# Allegro board RK_NVR_DEMO1_RK3588_LP4XD200P232SD8_V21_20211228_final_lint.brd (continued)
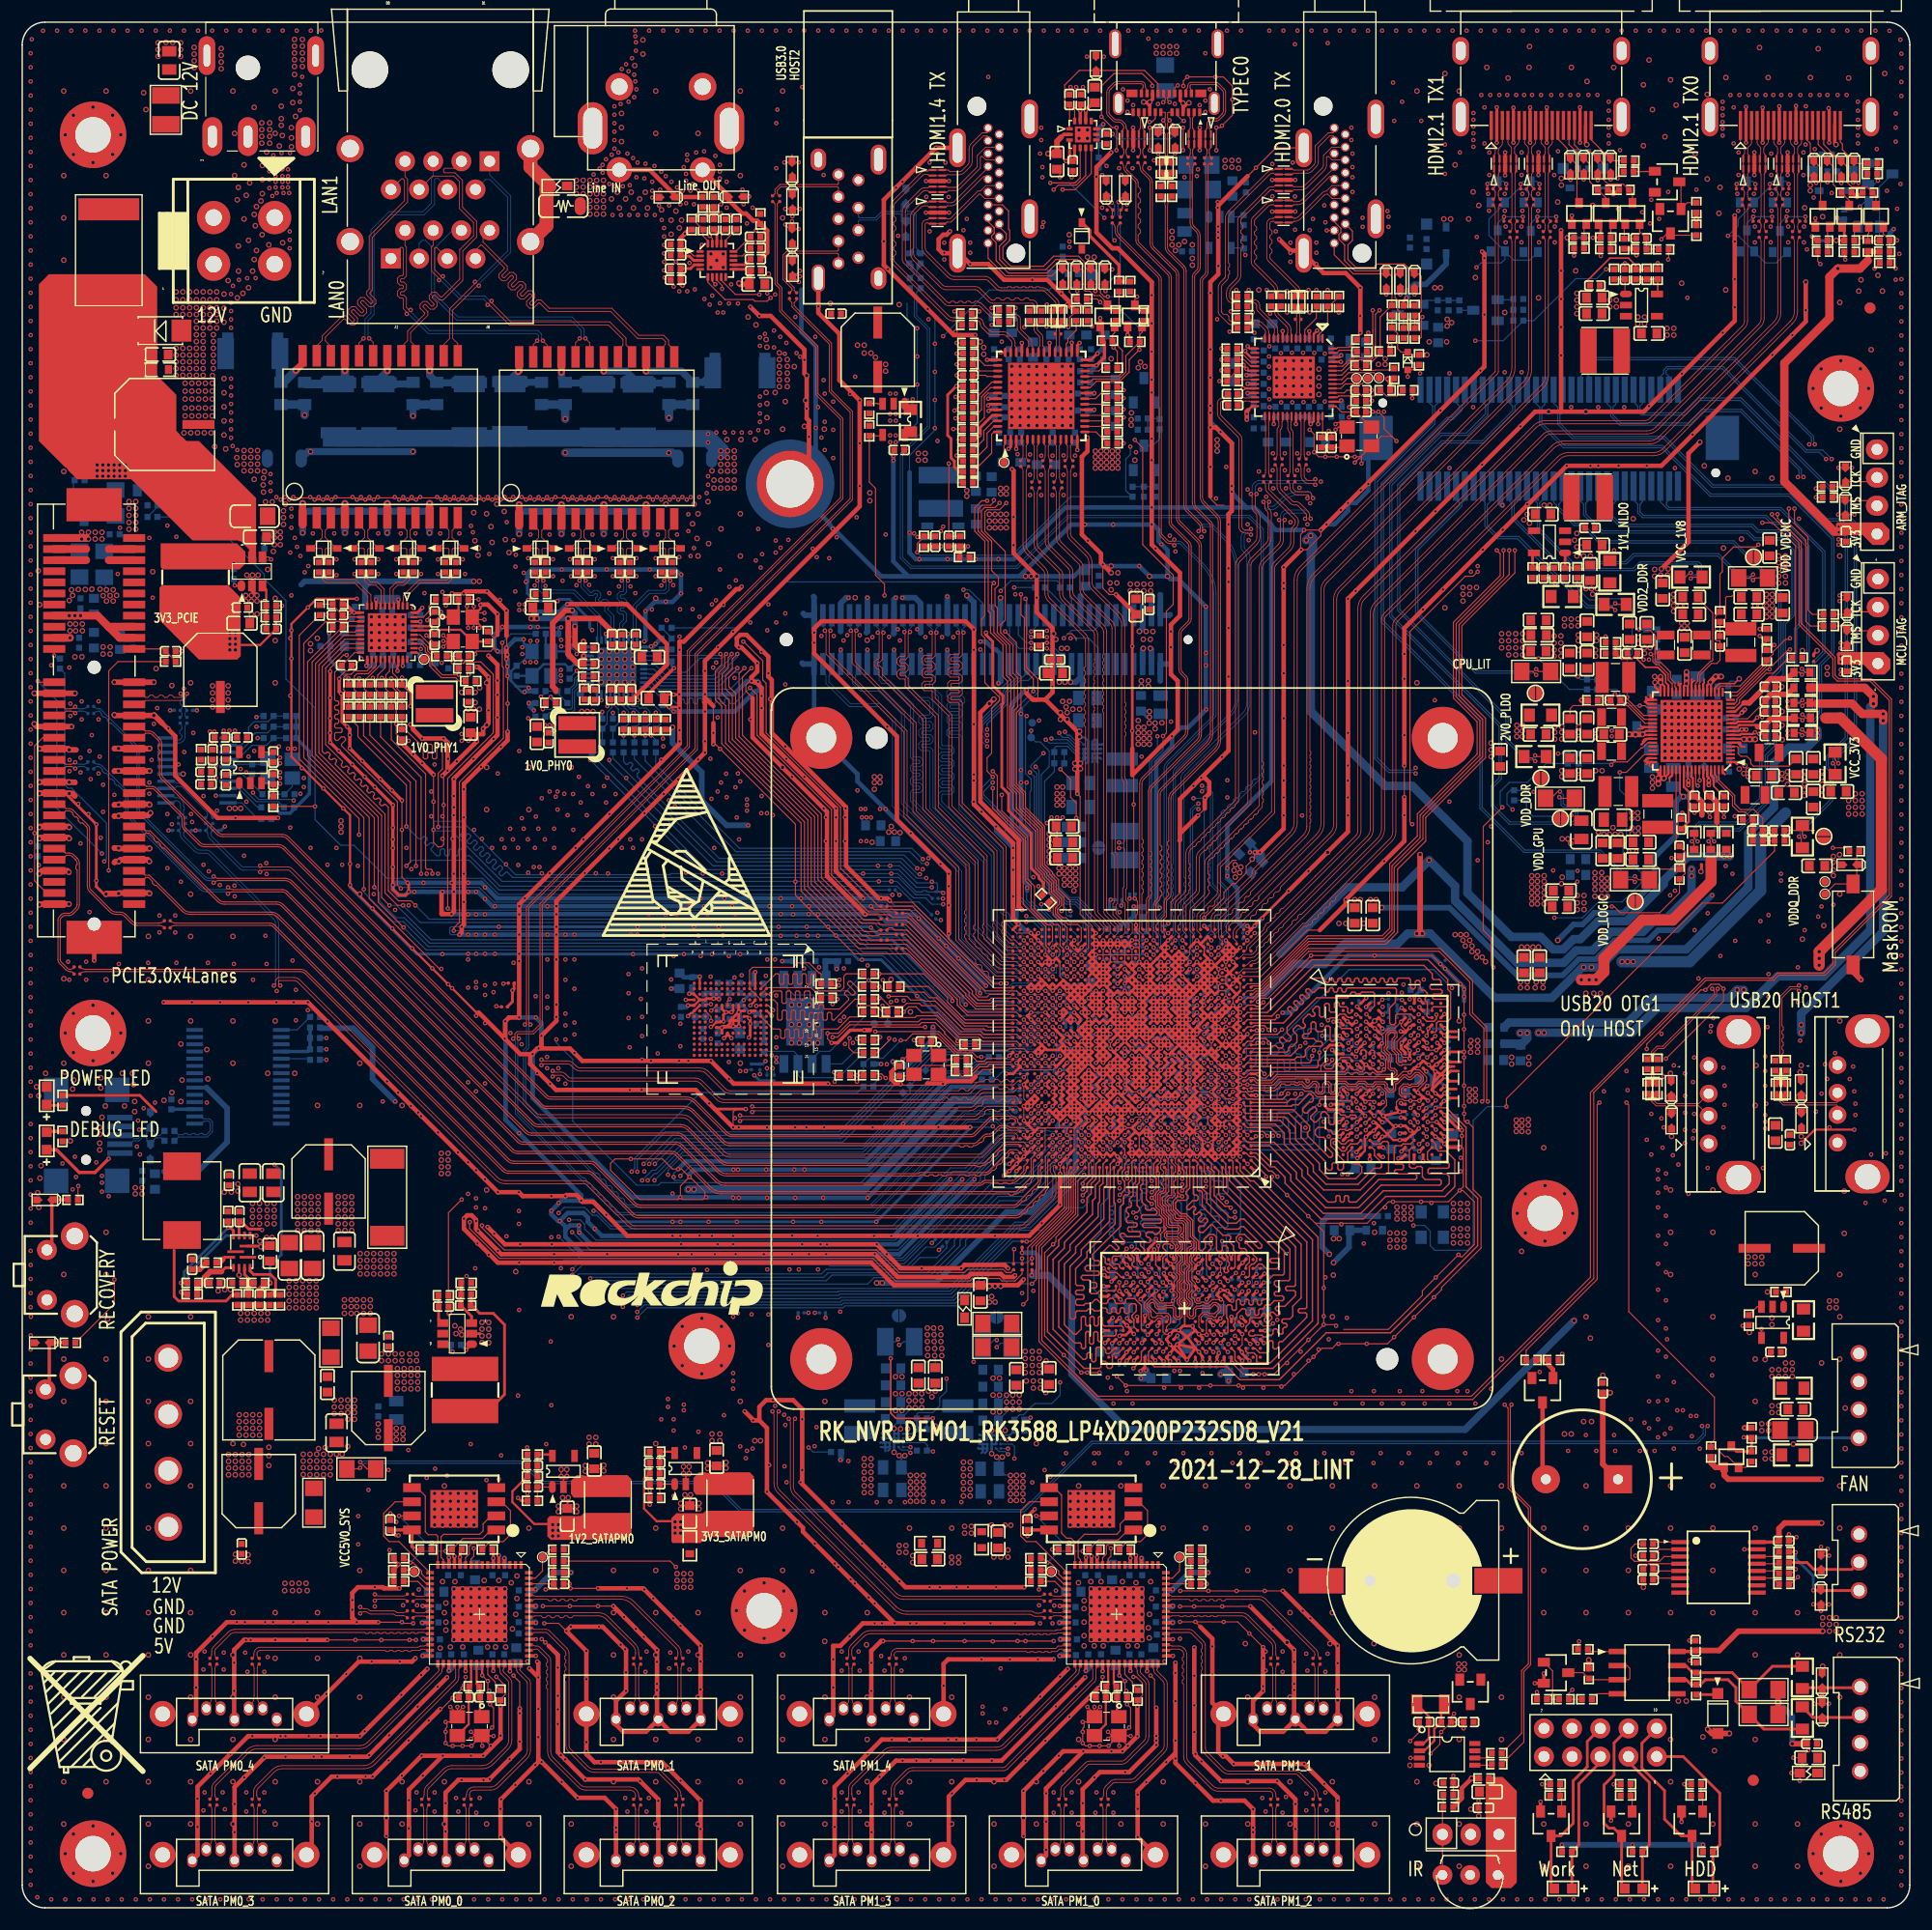
[diagram p0: board, top side]
## Routing (per net, layer and track width the routed paths; a pad name or vN(x,y) marks a point on that pad's centre or on a via; arc(x,y) is an arc through that point) (continued)
v1(117.32,153.46) v1(117.37,140.1) v1(117.37,135.78) v1(117.45,169.21) v1(117.42,151.94) v1(117.42,56.84) v1(117.42,21.28) v1(117.42,10.41) v1(117.52,8.78) v1(117.63,168.09) v1(117.63,145.84) v1(117.63,22.9) v1(117.73,51.25) v1(118.19,0.76) v1(118.34,45.46) v1(118.72,169.21) v1(119.35,53.18) v1(119.46,0.76) v1(119.56,134.36) v1(119.76,160.47) v1(119.76,159.35) v1(119.76,46.58) v1(119.86,158.13) v1(119.86,156.91) v1(119.86,156) v1(119.86,154.68) v1(119.99,169.21) v1(120.78,152.34) v1(120.77,151.53) v1(120.77,45.46) v1(120.73,0.76) v1(120.88,59.89) v1(121.26,169.21) v1(121.28,141.98) v1(121.79,61.71) v1(121.79,46.58) v1(122,0.76) v1(122.5,45.46) v1(122.53,169.21) v1(122.58,81.22) v1(123.01,152.95) v1(123.11,152.44) v1(123.11,151.53) v1(123.11,82.44) v1(123.27,0.76) v1(123.52,164.53) v1(123.62,161.08) v1(123.8,169.21) v1(124.13,46.58) v1(124.31,82.49) v1(124.33,162.81) v1(124.43,45.46) v1(124.54,0.76) v1(125.02,81.91) v1(125.07,169.21) v1(125.81,0.76) v1(125.96,138.32) v1(126.06,161.08) v1(126.16,46.58) v1(126.34,169.21) v1(126.36,45.46) v1(126.97,63.54) v1(127.08,0.76) v1(127.61,169.21) v1(128.19,158.95) v1(128.19,156.3) v1(128.35,0.76) v1(128.6,138.32) v1(128.6,129.79) v1(128.6,45.46) v1(128.88,169.21) v1(129.31,46.58) v1(129.54,158.23) v1(129.61,67.61) v1(129.61,66.39) v1(129.62,0.76) v1(130.15,169.21) v1(130.22,46.58) v1(130.76,161.79) v1(130.76,161.18) v1(130.76,160.57) v1(130.76,159.96) v1(130.76,159.35) v1(130.76,158.74) v1(130.73,135.27) v1(130.89,0.76) v1(130.93,45.46) v1(131.06,150.61) v1(131.42,169.21) v1(131.47,163.42) v1(131.76,162.3) v1(131.76,159.05) v1(132.09,154.5) v1(132.19,158.23) v1(132.19,156.2) v1(132.16,152.98) v1(132.16,0.76) v1(132.28,163.42) v1(132.36,46.78) v1(132.69,169.21) v1(133.09,163.42) v1(133.43,0.76) v1(133.59,154.5) v1(133.59,152.98) v1(133.58,138.42) v1(133.66,151.55) v1(133.66,150.13) v1(133.81,163.42) v1(133.96,169.21) v1(134.62,163.42) v1(134.7,0.76) v1(135.1,158.23) v1(135.1,156.2) v1(135.09,151.55) v1(135.09,150.13) v1(135.1,138.42) v1(135.17,154.5) v1(135.17,152.98) v1(135.23,169.21) v1(135.33,163.42) v1(135.61,126.53) v1(135.97,0.76) v1(136.04,163.42) v1(136.5,169.21) v1(136.59,154.5) v1(136.59,152.98) v1(136.67,151.55) v1(136.67,150.13) v1(136.73,48.3) v1(136.85,163.42) v1(137.24,0.76) v1(137.77,169.21) v1(137.77,163.42) v1(138.04,156.2) v1(138.09,151.55) v1(138.09,150.13) v1(138.38,158.34) v1(138.51,0.76) v1(138.68,163.42) v1(138.76,49.93) v1(139.04,169.21) v1(139.49,163.42) v1(139.57,135.27) v1(139.78,0.76) v1(140.21,163.42) v1(140.31,169.21) v1(140.89,42.61) v1(141.05,0.76) v1(141.12,163.42) v1(141.58,169.21) v1(141.93,163.42) v1(142.01,135.27) v1(142.32,0.76) v1(142.52,73.6) v1(142.85,169.21) v1(142.95,162.81) v1(142.95,161.99) v1(142.95,161.18) v1(142.95,160.47) v1(142.95,159.76) v1(142.95,159.05) v1(143.43,42.61) v1(143.59,0.76) v1(143.74,155.9) v1(143.97,158.44) v1(144.12,169.21) v1(144.35,135.27) v1(144.55,75.43) v1(144.65,73.7) v1(144.78,95.26) v1(144.86,0.76) v1(145.39,169.21) v1(145.36,31.74) v1(145.44,95.26) v1(145.97,152.85) v1(146.1,112.51) v1(146.13,0.76) v1(146.38,69.23) v1(146.58,135.37) v1(146.57,112.51) v1(146.66,169.21) v1(146.68,151.83) v1(146.78,153.97) v1(146.78,71.57) v1(146.78,67.91) v1(147.39,64.46) v1(147.39,55.72) v1(147.39,50.23) v1(147.39,44.04) v1(147.4,0.76) v1(147.5,152.24) v1(147.7,78.78) v1(147.7,71.16) v1(147.8,68.52) v1(147.9,74.92) v1(147.9,70.35) v1(147.93,169.21) v1(148.21,51.25) v1(148.21,45.76) v1(148.31,154.68) v1(148.67,0.76) v1(148.82,75.94) v1(148.82,41.39) v1(148.92,129.79) v1(149.2,169.21) v1(149.22,67) v1(149.58,98.7) v1(149.83,73.19) v1(149.83,71.67) v1(149.94,0.76) v1(150.04,145.13) v1(150.14,64.36) v1(150.47,169.21) v1(150.44,42.51) v1(150.65,76.65) v1(150.65,71.57) v1(150.65,70.05) v1(150.85,154.88) v1(151.15,41.39) v1(151.21,0.76) v1(151.74,169.21) v1(151.86,66.69) v1(152.06,98.32) v1(152.17,79.49) v1(152.27,48) v1(152.37,80.21) v1(152.48,0.76) v1(153.01,169.21) v1(153.21,162.81) v1(153.21,162.2) v1(153.21,161.59) v1(153.21,160.98) v1(153.21,160.37) v1(153.21,159.76) v1(153.29,75.73) v1(153.29,70.35) v1(153.34,98.32) v1(153.39,74.11) v1(153.39,72.38) v1(153.49,93.92) v1(153.75,0.76) v1(153.92,163.42) v1(154.1,93.21) v1(154.21,162.3) v1(154.21,159.05) v1(154.28,169.21) v1(154.3,98.39) v1(154.54,154.5) v1(154.65,158.23) v1(154.65,156.2) v1(154.62,152.98) v1(154.73,163.42) v1(155.01,52.47) v1(155.02,0.76) v1(155.55,169.21) v1(155.55,163.42) v1(156.04,154.5) v1(156.04,152.98) v1(156.12,151.55) v1(156.12,150.13) v1(156.26,163.42) v1(156.29,0.76) v1(156.82,169.21) v1(156.84,66.69) v1(157.07,163.42) v1(157.05,76.75) v1(157.05,75.43) v1(157.05,74.11) v1(157.05,71.47) v1(157.05,70.86) v1(157.05,70.25) v1(157.15,72.48) v1(157.25,79.39) v1(157.35,82.14) v1(157.59,158.13) v1(157.59,156.2) v1(157.54,151.55) v1(157.54,150.13) v1(157.56,0.76) v1(157.62,154.5) v1(157.62,152.98) v1(157.78,163.42) v1(158.09,169.21) v1(158.49,163.42) v1(158.83,0.76) v1(159.04,154.5) v1(159.04,152.98) v1(159.12,151.55) v1(159.12,150.13) v1(159.31,163.42) v1(159.36,169.21) v1(159.99,84.78) v1(160.1,0.76) v1(160.2,78.17) v1(160.22,163.42) v1(160.49,158.23) v1(160.49,156.2) v1(160.54,151.55) v1(160.54,150.13) v1(160.63,169.21) v1(160.71,162.4) v1(160.69,158.95) v1(160.81,149.5) v1(161.14,163.42) v1(161.41,154.17) v1(161.37,0.76) v1(161.52,158.54) v1(161.52,158.03) v1(161.62,71.77) v1(161.9,169.21) v1(161.95,163.42) v1(162.13,90.26) v1(162.13,73.4) v1(162.43,76.04) v1(162.66,163.42) v1(162.63,74.72) v1(162.64,0.76) v1(162.84,70.35) v1(163.04,154.58) v1(163.17,169.21) v1(163.35,77.06) v1(163.57,163.42) v1(163.91,0.76) v1(164.39,163.42) v1(164.44,169.21) v1(164.67,74.72) v1(164.97,75.84) v1(165.07,73.6) v1(165.17,72.48) v1(165.17,71.47) v1(165.18,0.76) v1(165.4,162.81) v1(165.4,161.99) v1(165.4,161.18) v1(165.4,160.47) v1(165.4,159.76) v1(165.4,159.05) v1(165.45,155.49) v1(165.71,169.21) v1(165.68,150.61) v1(166.09,63.54) v1(166.45,0.76) v1(166.6,67.91) v1(166.98,169.21) v1(167.1,158.54) v1(167.72,0.76) v1(167.82,63.75) v1(167.92,68.01) v1(168.02,154.78) v1(168.25,169.2) v1(168.81,161.75) v1(168.81,160.48) v1(168.81,159.21) v1(168.81,147.78) v1(168.81,146.76) v1(168.93,153.15) v1(168.93,150.31) v1(169.14,149.09) v1(169.23,168.4) v1(169.32,167.13) v1(169.32,165.86) v1(169.32,164.59) v1(169.32,163.32) v1(169.24,155.39) v1(169.32,146.81) v1(169.32,145.54) v1(169.32,144.27) v1(169.32,143) v1(169.32,141.73) v1(169.32,140.46) v1(169.32,139.19) v1(169.32,137.92) v1(169.32,136.65) v1(169.32,135.38) v1(169.32,134.11) v1(169.32,132.84) v1(169.32,131.57) v1(169.32,130.3) v1(169.32,129.03) v1(169.32,127.76) v1(169.32,126.49) v1(169.32,125.22) v1(169.32,123.95) v1(169.32,122.68) v1(169.32,121.41) v1(169.32,120.14) v1(169.32,118.87) v1(169.32,117.6) v1(169.32,116.33) v1(169.32,115.06) v1(169.32,113.79) v1(169.32,112.52) v1(169.32,111.25) v1(169.32,109.98) v1(169.32,108.71) v1(169.32,107.44) v1(169.32,106.17) v1(169.32,104.9) v1(169.32,103.63) v1(169.32,102.36) v1(169.32,101.09) v1(169.32,99.82) v1(169.32,98.55) v1(169.32,97.28) v1(169.32,96.01) v1(169.32,94.74) v1(169.32,93.47) v1(169.32,92.2) v1(169.32,90.93) v1(169.32,89.66) v1(169.32,88.39) v1(169.32,87.12) v1(169.32,85.85) v1(169.32,84.58) v1(169.32,83.31) v1(169.32,82.04) v1(169.32,80.77) v1(169.32,79.5) v1(169.32,78.23) v1(169.32,76.96) v1(169.32,75.69) v1(169.32,74.42) v1(169.32,73.15) v1(169.32,71.88) v1(169.32,70.61) v1(169.32,69.34) v1(169.32,68.07) v1(169.32,66.8) v1(169.32,65.53) v1(169.32,64.26) v1(169.32,62.99) v1(169.32,61.72) v1(169.32,60.45) v1(169.32,59.18) v1(169.32,57.91) v1(169.32,56.64) v1(169.32,55.37) v1(169.32,54.1) v1(169.32,52.83) v1(169.32,51.56) v1(169.32,50.29) v1(169.32,49.02) v1(169.32,47.75) v1(169.32,46.48) v1(169.32,45.21) v1(169.32,43.94) v1(169.32,42.67) v1(169.32,41.4) v1(169.32,40.13) v1(169.32,38.86) v1(169.32,37.59) v1(169.32,36.32) v1(169.32,35.05) v1(169.32,33.78) v1(169.32,32.51) v1(169.32,31.24) v1(169.32,29.97) v1(169.32,28.7) v1(169.32,27.43) v1(169.32,26.16) v1(169.32,24.89) v1(169.32,23.62) v1(169.32,22.35) v1(169.32,21.08) v1(169.32,19.81) v1(169.32,18.54) v1(169.32,17.27) v1(169.32,16) v1(169.32,14.73) v1(169.32,13.46) v1(169.32,12.19) v1(169.32,10.92) v1(169.32,9.65) v1(169.32,8.38) v1(169.32,7.11) v1(169.32,5.84) v1(169.32,4.57) v1(169.32,3.3) v1(169.32,2.03) v2(1.29,74.01) v2(1.39,64.46) v2(1.45,120.52) v2(1.5,73.19) v2(1.5,63.14) v2(1.57,117.47) v2(1.6,65.78) v2(1.7,66.9) v2(2.11,75.23) v2(3.75,163.77) v2(3.75,156.15) v2(3.75,152.34) v2(3.75,148.53) v2(3.75,129.48) v2(3.75,83.76) v2(3.75,76.14) v2(3.75,57.09) v2(3.75,49.47) v2(3.75,45.66) v2(3.75,38.04) v2(3.75,34.23) v2(3.75,30.42) v2(3.75,26.61) v2(3.75,22.8) v2(3.75,18.99) v2(3.75,15.18) v2(3.75,11.37) v2(3.75,7.56) v2(3.88,159.82) v2(3.88,78.86) v2(3.83,75.33) v2(3.88,4.88) v2(4.24,117.85) v2(4.34,69.13) v2(4.44,118.81) v2(4.61,161.59) v2(4.61,158.05) v2(4.54,118.31) v2(4.61,80.63) v2(4.61,77.09) v2(4.54,73.8) v2(4.61,6.65) v2(4.61,3.11) v2(4.65,74.62) v2(4.75,112.77) v2(5.05,118.84) v2(5.38,112.77) v2(5.69,118.84) v2(6.27,118.86) v2(6.38,162.32) v2(6.38,157.32) v2(6.38,81.36) v2(6.38,76.36) v2(6.38,7.38) v2(6.38,2.38) v2(7.01,118.86) v2(6.98,70.35) v2(6.98,69.74) v2(6.98,68.93) v2(6.98,68.32) v2(7.08,74.82) v2(7.08,73.91) v2(7.19,71.26) v2(7.29,118.28) v2(7.29,113.66) v2(7.29,113.02) v2(7.49,72.28) v2(7.56,163.77) v2(7.56,156.15) v2(7.59,118.81) v2(7.59,117.8) v2(7.56,83.65) v2(7.56,60.9) v2(7.56,57.09) v2(7.56,49.47) v2(7.56,45.66) v2(7.56,41.85) v2(7.56,38.04) v2(7.56,34.23) v2(7.56,30.42) v2(7.56,26.61) v2(7.56,22.8) v2(7.56,18.99) v2(7.56,15.18) v2(7.56,11.37) v2(7.69,53.08) v2(7.92,113.66) v2(7.92,113.02) v2(8.15,161.59) v2(8.15,158.05) v2(8.2,118.81) v2(8.2,117.8) v2(8.15,80.63) v2(8.15,77.09) v2(8.15,6.65) v2(8.15,3.11) v2(8.51,118.31) v2(8.88,159.82) v2(8.88,78.86) v2(8.88,4.88) v2(9.01,75.23) v2(9.22,72.28) v2(9.62,126.76) v2(9.62,126.15) v2(9.62,125.52) v2(9.62,124.88) v2(9.62,124.27) v2(9.93,75.23) v2(10.03,74.21) v2(10.13,72.69) v2(10.13,71.77) v2(10.19,64.91) v2(10.19,64.36) v2(10.23,126.76) v2(10.23,126.15) v2(10.23,125.52) v2(10.23,124.88) v2(10.23,124.27) v2(10.8,64.91) v2(10.8,64.36) v2(10.95,163.62) v2(11.15,162.1) v2(11.37,87.57) v2(11.37,83.65) v2(11.37,79.95) v2(11.37,76.14) v2(11.37,53.28) v2(11.37,49.47) v2(11.37,45.66) v2(11.37,41.85) v2(11.37,38.04) v2(11.37,34.23) v2(11.37,30.42) v2(11.37,26.61) v2(11.37,22.8) v2(11.37,18.99) v2(11.37,15.18) v2(11.37,11.37) v2(11.37,7.56) v2(11.37,3.75) v2(11.76,120.44) v2(12.06,111.7) v2(12.24,168.11) v2(12.24,167.51) v2(12.24,166.9) v2(12.77,72.79) v2(12.95,168.17) v2(13.49,110.18) v2(13.49,73.5) v2(13.56,168.17) v2(13.87,145.66) v2(13.87,144.95) v2(13.87,144.24) v2(13.87,143.63) v2(13.87,140.58) v2(13.87,139.97) v2(13.87,139.36) v2(13.87,138.75) v2(13.87,138.14) v2(14.27,168.11) v2(14.27,167.51) v2(14.27,166.9) v2(14.3,77.87) v2(14.3,72.69) v2(14.4,74.62) v2(14.48,145.66) v2(14.48,144.95) v2(14.48,144.24) v2(14.48,143.63) v2(14.48,140.58) v2(14.48,139.97) v2(14.48,139.36) v2(14.48,138.75) v2(14.48,138.14) v2(14.58,132.96) v2(14.68,137.43) v2(14.68,136.72) v2(14.68,136.01) v2(14.68,135.2) v2(14.68,134.49) v2(15.09,145.66) v2(15.09,144.95) v2(15.09,144.24) v2(15.09,143.63) v2(15.09,140.58) v2(15.09,139.97) v2(15.09,139.36) v2(15.09,138.75) v2(15.09,138.14) v2(15.18,163.77) v2(15.19,132.96) v2(15.18,110.43) v2(15.18,91.38) v2(15.18,87.57) v2(15.18,83.65) v2(15.18,79.95) v2(15.18,53.28) v2(15.18,45.66) v2(15.18,41.85) v2(15.18,38.04) v2(15.18,30.42) v2(15.18,26.61) v2(15.18,22.8) v2(15.18,18.99) v2(15.18,15.18) v2(15.18,11.37) v2(15.18,7.56) v2(15.29,137.43) v2(15.29,136.72) v2(15.29,136.01) v2(15.29,135.2) v2(15.29,134.49) v2(15.49,167.71) v2(15.49,167.1) v2(15.49,166.49) v2(15.49,165.88) v2(15.7,145.66) v2(15.7,144.95) v2(15.7,144.24) v2(15.7,143.63) v2(15.7,143.02) v2(15.7,142.41) v2(15.7,141.8) v2(15.7,141.19) v2(15.7,140.58) v2(15.7,139.97) v2(15.7,139.36) v2(15.7,138.75) v2(15.7,138.14) v2(15.8,132.96) v2(15.9,137.43) v2(15.9,136.72) v2(15.9,136.01) v2(15.9,135.2) v2(15.9,134.49) v2(16.3,145.66) v2(16.3,144.95) v2(16.3,144.24) v2(16.3,143.63) v2(16.3,143.02) v2(16.3,142.41) v2(16.3,141.8) v2(16.3,141.19) v2(16.3,140.58) v2(16.3,139.97) v2(16.3,139.36) v2(16.3,138.75) v2(16.3,138.14) v2(16.41,132.96) v2(16.51,137.43) v2(16.51,136.72) v2(16.51,136.01) v2(16.51,135.2) v2(16.51,134.49) v2(16.63,77.36) v2(16.74,74.72) v2(16.91,145.66) v2(16.91,144.95) v2(16.91,144.24) v2(16.91,143.63) v2(16.91,143.02) v2(16.91,142.41) v2(17.02,132.96) v2(17.12,137.43) v2(17.12,136.72) v2(17.12,136.01) v2(17.12,135.2) v2(17.12,134.49) v2(17.14,138.12) v2(17.15,110.15) v2(17.15,109.52) v2(17.15,108.88) v2(17.15,108.25) v2(17.22,141.8) v2(17.22,141.19) v2(17.22,140.58) v2(17.22,139.97) v2(17.22,139.36) v2(17.22,138.75) v2(17.35,131.72) v2(17.52,145.66) v2(17.52,144.95) v2(17.52,144.24) v2(17.52,143.63) v2(17.52,143.02) v2(17.52,142.41) v2(17.65,55.62) v2(17.93,167.61) v2(17.93,167) v2(17.93,166.39) v2(17.93,165.78) v2(18.18,145.47) v2(18.18,144.2) v2(18.18,142.93) v2(18.18,137.85) v2(18.18,136.58) v2(18.18,135.31) v2(18.18,134.04) v2(18.18,132.77) v2(18.21,64.51) v2(18.26,55.72) v2(18.33,131.5) v2(18.56,146.68) v2(18.56,110.15) v2(18.56,109.52) v2(18.56,108.88) v2(18.56,108.25) v2(18.59,40.86) v2(18.59,40.25) v2(18.59,39.64) v2(18.59,39.03) v2(18.77,55.72) v2(18.84,64.51) v2(18.99,163.77) v2(18.99,87.57) v2(18.99,83.65) v2(18.99,79.95) v2(18.99,76.14) v2(18.99,41.85) v2(18.99,26.61) v2(18.99,22.8) v2(18.99,18.99) v2(18.99,15.18) v2(18.99,11.37) v2(18.99,7.56) v2(19.14,159.96) v2(19.14,156.15) v2(19.2,40.86) v2(19.2,40.25) v2(19.2,39.64) v2(19.2,39.03) v2(19.21,31.86) v2(19.21,31.26) v2(19.38,153.97) v2(19.38,145.13) v2(19.34,130.73) v2(19.38,130.09) v2(19.48,155.08) v2(19.48,149.8) v2(19.49,147.54) v2(19.43,65.24) v2(19.43,64.61) v2(19.56,44.44) v2(19.56,43.83) v2(19.56,43.22) v2(19.56,42.61) v2(19.68,53.59) v2(19.68,52.98) v2(19.81,40.86) v2(19.81,40.25) v2(19.81,39.64) v2(19.81,39.03) v2(19.78,31.23) v2(19.89,145.53) v2(19.99,157.12) v2(19.99,152.24) v2(19.99,131.36) v2(19.99,130.75) v2(19.99,130.14) v2(19.99,129.53) v2(19.94,41.78) v2(20.19,154.37) v2(20.17,44.44) v2(20.17,43.83) v2(20.17,43.22) v2(20.17,42.61) v2(20.29,53.59) v2(20.29,52.98) v2(20.39,150.31) v2(20.39,146.04) v2(20.36,31.82) v2(20.36,31.21) v2(20.5,155.49) v2(20.42,40.86) v2(20.42,40.25) v2(20.42,39.64) v2(20.42,39.03) v2(20.6,131.36) v2(20.6,130.75) v2(20.6,130.14) v2(20.6,129.53) v2(20.76,147.54) v2(20.75,63.49) v2(20.75,62.88) v2(20.75,62.27) v2(20.75,61.66) v2(20.78,44.44) v2(20.78,43.83) v2(20.78,43.22) v2(20.78,42.61) v2(20.9,162.3) v2(20.9,152.65) v2(20.9,148.58) v2(20.9,128.77) v2(20.9,53.59) v2(20.9,52.98) v2(21,151.63) v2(21.11,153.36) v2(21.11,149.39) v2(21.21,131.36) v2(21.21,130.75) v2(21.21,130.14) v2(21.21,129.53) v2(21.38,63.49) v2(21.38,62.88) v2(21.38,62.27) v2(21.38,61.66) v2(21.41,60.09) v2(21.38,44.44) v2(21.38,43.83) v2(21.38,43.22) v2(21.38,42.61) v2(21.51,153.87) v2(21.51,53.59) v2(21.51,52.98) v2(21.59,160.9) v2(21.59,160.29) v2(21.59,159.68) v2(21.59,159.07) v2(21.61,150.82) v2(21.64,157.06) v2(21.64,155.79) v2(21.64,154.52) v2(21.71,128.26) v2(21.82,129.48) v2(21.74,128.89) v2(21.74,127.62) v2(21.92,126.74) v2(22.02,158.27) v2(22.07,63.49) v2(22.07,62.88) v2(22.07,62.27) v2(22.07,61.66) v2(22.02,60.42) v2(22.12,120.64) v2(22.12,75.23) v2(22.12,53.59) v2(22.12,52.98) v2(22.3,160.9) v2(22.3,160.29) v2(22.3,159.68) v2(22.3,159.07) v2(22.22,149.9) v2(22.22,41.52) v2(22.22,40.76) v2(22.22,39.87) v2(22.53,126.74) v2(22.53,60.42) v2(22.63,122.27) v2(22.71,63.49) v2(22.71,62.88) v2(22.71,62.27) v2(22.71,61.66) v2(22.8,163.77) v2(22.8,159.96) v2(22.8,118.05) v2(22.8,114.24) v2(22.8,110.43) v2(22.8,79.95) v2(22.8,26.61) v2(22.8,22.49) v2(22.8,18.99) v2(22.8,15.18) v2(22.8,11.37) v2(22.8,7.56) v2(23.16,158.82) v2(23.34,162.4) v2(23.34,161.28) v2(23.34,160.67) v2(23.44,159.76) v2(23.47,150.09) v2(23.54,125.93) v2(23.54,125.32) v2(23.54,124.71) v2(23.71,126.53) v2(24.25,160.47) v2(24.25,159.55) v2(24.25,158.74) v2(24.38,164) v2(24.38,162.73) v2(24.53,168.42) v2(24.53,167.81) v2(24.53,167.2) v2(24.53,166.59) v2(24.53,165.98) v2(24.54,165.26) v2(24.56,75.23) v2(24.62,161.49) v2(24.81,64.1) v2(24.81,63.49) v2(24.81,62.88) v2(24.81,62.27) v2(24.81,61.66) v2(24.81,61.05) v2(25.25,168.42) v2(25.25,167.81) v2(25.25,167.2) v2(25.25,166.59) v2(25.25,165.98) v2(25.42,64.1) v2(25.42,63.49) v2(25.42,62.88) v2(25.42,62.27) v2(25.42,61.66) v2(25.42,61.05) v2(26.03,64.1) v2(26.03,63.49) v2(26.03,62.88) v2(26.03,62.27) v2(26.03,61.66) v2(26.03,61.05) v2(26.61,72.33) v2(26.61,26.61) v2(26.61,22.49) v2(26.61,18.99) v2(26.61,11.37) v2(26.61,7.56) v2(26.67,64.1) v2(26.67,63.49) v2(26.67,62.88) v2(26.67,62.27) v2(26.67,61.66) v2(26.67,61.05) v2(28.12,45.76) v2(28.12,45.15) v2(28.12,44.54) v2(28.47,64.1) v2(28.47,63.49) v2(28.47,62.88) v2(28.47,62.27) v2(28.47,61.66) v2(28.47,61.05) v2(28.73,45.76) v2(28.73,45.15) v2(28.73,44.54) v2(29.08,64.1) v2(29.08,63.49) v2(29.08,62.88) v2(29.08,62.27) v2(29.08,61.66) v2(29.08,61.05) v2(29.33,45.76) v2(29.33,45.15) v2(29.33,44.65) v2(29.33,44.04) v2(29.69,64.1) v2(29.69,63.49) v2(29.69,62.88) v2(29.69,62.27) v2(29.69,61.66) v2(29.69,61.05) v2(29.94,45.76) v2(29.94,45.15) v2(29.94,44.65) v2(29.94,44.04) v2(30.42,91.38) v2(30.42,76.14) v2(30.42,72.33) v2(30.42,30.42) v2(30.42,22.49) v2(30.42,18.99) v2(30.42,11.37) v2(30.42,7.56) v2(30.42,3.75) v2(31.47,116.37) v2(31.47,115.66) v2(31.47,114.95) v2(31.47,114.24) v2(31.47,113.58) v2(32.18,116.37) v2(32.18,115.66) v2(32.18,114.95) v2(32.18,114.24) v2(32.18,113.58) v2(32.38,49.93) v2(32.38,49.32) v2(32.89,116.37) v2(32.89,115.66) v2(32.89,114.95) v2(32.89,114.24) v2(32.89,113.58) v2(32.99,49.93) v2(32.99,49.32) v2(33.6,116.37) v2(33.6,115.66) v2(33.6,114.95) v2(33.6,114.24) v2(33.6,113.58) v2(33.6,49.93) v2(33.6,49.32) v2(33.81,48.61) v2(33.81,48) v2(33.81,47.39) v2(33.81,46.78) v2(34.21,49.93) v2(34.21,49.32) v2(34.31,116.37) v2(34.31,115.66) v2(34.31,114.95) v2(34.31,114.24) v2(34.31,113.58) v2(34.23,72.33) v2(34.23,11.37) v2(34.23,7.56) v2(34.41,48.61) v2(34.41,48) v2(34.41,47.39) v2(34.41,46.78) v2(34.92,49.93) v2(34.92,49.32) v2(35.02,48.61) v2(35.02,48) v2(35.02,47.39) v2(35.02,46.78) v2(35.53,49.93) v2(35.53,49.32) v2(35.63,48.61) v2(35.63,48) v2(35.63,47.39) v2(35.63,46.78) v2(37.16,37.36) v2(37.16,36.64) v2(37.16,35.93) v2(37.16,35.22) v2(37.16,34.51) v2(37.67,23.41) v2(37.87,37.36) v2(37.87,36.64) v2(37.87,35.93) v2(37.87,35.22) v2(37.87,34.51) v2(37.87,29.41) v2(38.04,38.04) v2(38.04,26.61) v2(38.04,11.37) v2(38.04,7.56) v2(38.17,27.47) v2(38.17,25.75) v2(38.17,25.04) v2(38.48,53.59) v2(38.58,37.36) v2(38.58,36.64) v2(38.58,35.93) v2(38.58,35.22) v2(38.58,34.51) v2(38.58,23.51) v2(38.91,28.74) v2(38.91,27.98) v2(38.91,27.22) v2(38.91,26.46) v2(38.91,25.7) v2(38.91,24.93) v2(38.91,24.17) v2(38.99,52.47) v2(38.99,29.41) v2(39.09,51.76) v2(39.29,37.36) v2(39.29,36.64) v2(39.29,35.93) v2(39.29,35.22) v2(39.29,34.51) v2(39.49,52.16) v2(39.6,109.57) v2(39.6,51.66) v2(39.67,28.74) v2(39.67,27.98) v2(39.67,27.22) v2(39.67,26.46) v2(39.67,25.7) v2(39.67,24.93) v2(39.67,24.17) v2(39.7,23.51) v2(40,37.36) v2(40,36.64) v2(40,35.93) v2(40,35.22) v2(40,34.51) v2(40.43,28.74) v2(40.43,27.98) v2(40.43,27.22) v2(40.43,26.46) v2(40.43,25.7) v2(40.43,24.93) v2(40.43,24.17) v2(40.69,125.77) v2(40.71,37.36) v2(40.71,36.64) v2(40.71,35.93) v2(40.71,35.22) v2(40.71,34.51) v2(40.79,123.23) v2(40.82,109.57) v2(41.07,121.91) v2(41.12,122.57) v2(41.2,28.74) v2(41.2,27.98) v2(41.2,27.22) v2(41.2,26.46) v2(41.2,25.7) v2(41.2,24.93) v2(41.2,24.17) v2(41.22,109.97) v2(41.43,52.77) v2(41.43,52.16) v2(41.43,50.94) v2(41.63,29.51) v2(41.85,125.67) v2(41.85,110.43) v2(41.85,106.62) v2(41.85,102.81) v2(41.85,99) v2(41.85,64.71) v2(41.85,7.56) v2(41.96,28.74) v2(41.96,27.98) v2(41.96,27.22) v2(41.96,26.46) v2(41.96,25.7) v2(41.96,24.93) v2(41.96,24.17) v2(41.93,23.51) v2(42.03,52.77) v2(42.03,52.16) v2(42.03,51.55) v2(42.03,50.94) v2(42.24,124.5) v2(42.34,123.08) v2(42.64,23.51) v2(42.76,126.53) v2(42.72,28.74) v2(42.72,27.98) v2(42.72,27.22) v2(42.72,26.46) 